# Altium PCB 2024001 A Soutra Plainsong Metronome_PCB.PcbDoc (part 1 of 2) (continued)
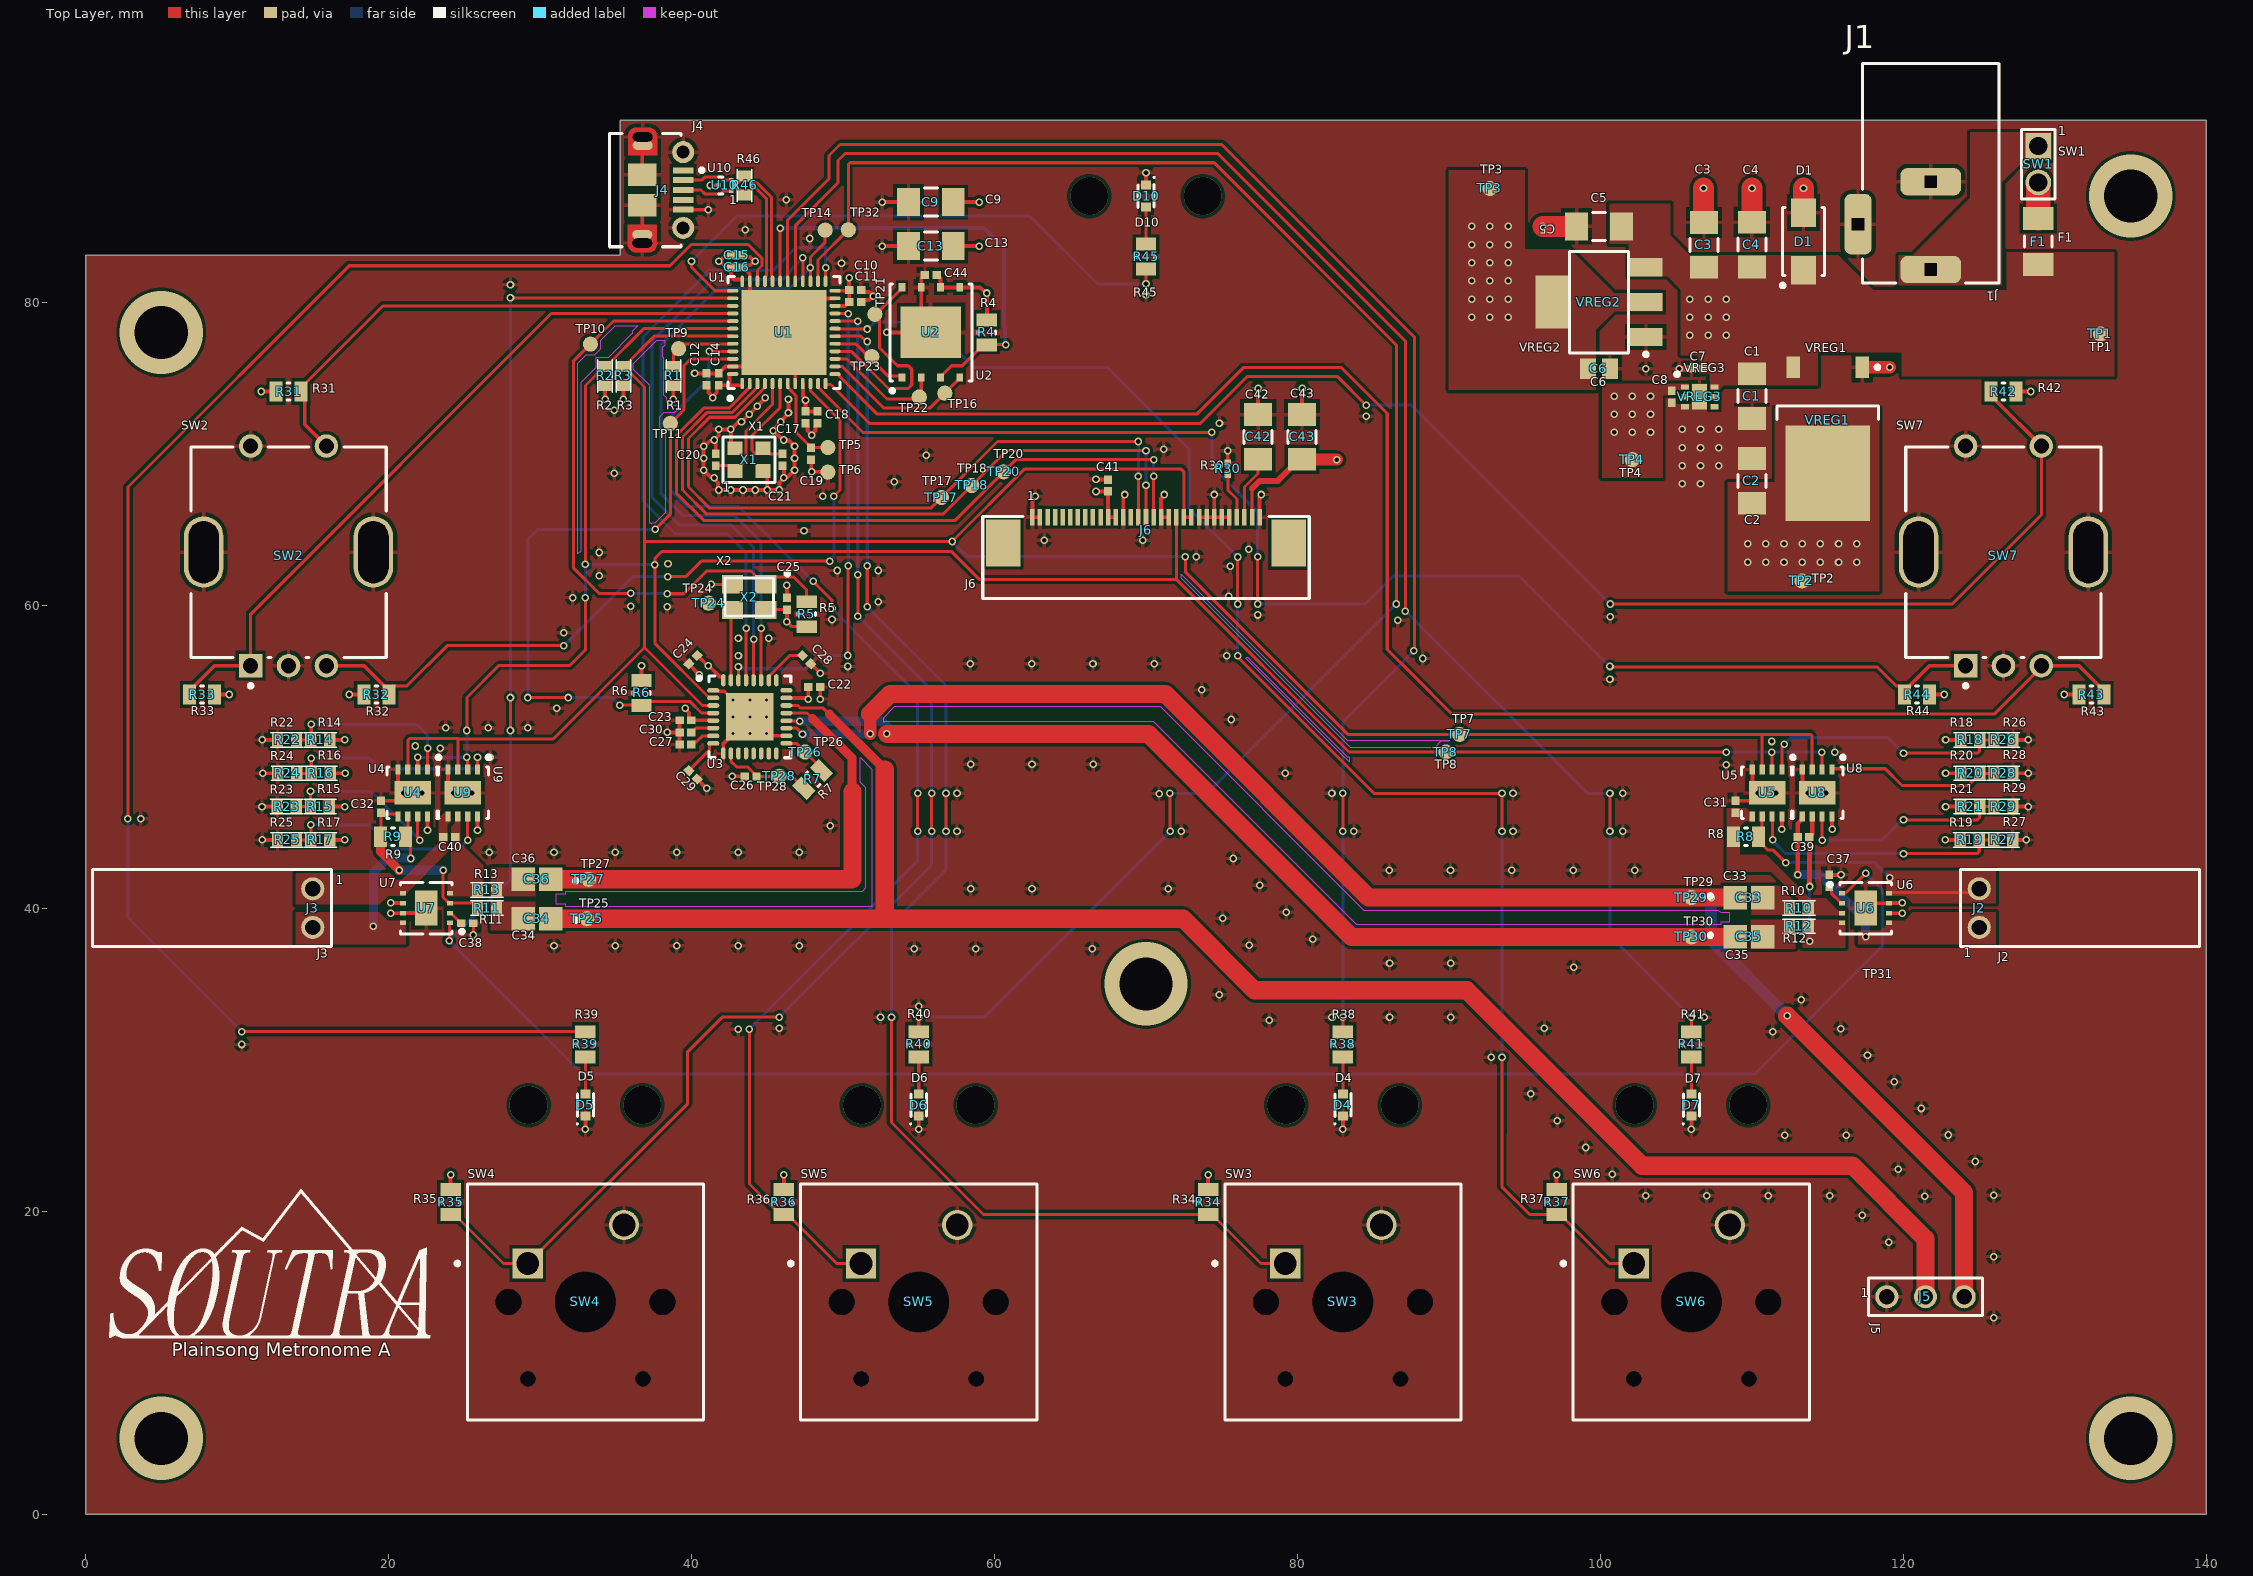
[diagram p0: Top Layer view]
## Part data (continued)
J4: "Telecom and Datacom Connector, 5 Contact(s), Female, Right Angle, Surface Mount Terminal, Detent, Receptacle", Manufacturer=Molex, Manufacturer Part Number=105017-0001, Supplier Part Number=3500663, Supplier Part Number 1=8486764, Pricing=1=0.97, Pricing 1="5=0.754, 75=0.67", Supplier=Farnell, Supplier 1=Rs
J5: library part J_AUDIO_TRS
J6: "FFC/FPC Connector, 31 Contact(s), 1 Row(s), Female, Right Angle, 0.02 inch Pitch, Surface Mount Terminal, Locking, Natural Insulator", Contact Resistance=35mR, Dielectric Withstanding Voltage (AC)=250V, Flammability Rating="UL94 V-0", Insulation Color=Natural, Insulation Resistance=50MR, Manufacturer="TE Connectivity", Manufacturer Series=1734592, Max Operating Temperature=85°C, Min Operating Temperature=-40°C, Rated Current (Signal)=500mA, Supplier Part Number 1=3398664, Body Breadth=0.079inch, Body Depth=0.201inch, Body Length=0.824inch, Category="FFC / FPC", ComponentLink1Description=https://www.te.com:443/usa-en/product-3-1734592-1.datasheet.pdf?src-supplier=IHS+Markit, ComponentLink1URL=https://www.te.com:443/usa-en/product-3-1734592-1.datasheet.pdf?src-supplier=IHS+Markit, ComponentLink2Description=https://datasheet.ciiva.com/10364/eng-ds-1-1773440-6-0506-10364463.pdf?src-supplier=Avnet, ComponentLink2URL=https://datasheet.ciiva.com/10364/eng-ds-1-1773440-6-0506-10364463.pdf?src-supplier=Avnet, ComponentLink3Description=https://datasheet.ciiva.com/8066/1650059-8066840.pdf?src-supplier=Element14, ComponentLink3URL=https://datasheet.ciiva.com/8066/1650059-8066840.pdf?src-supplier=Element14, ComponentLink4Description=https://datasheet.ciiva.com/49629/eng-ds-1-1773440-6-0506-49629301.pdf?src-supplier=Onlinecomponents.com, ComponentLink4URL=https://datasheet.ciiva.com/49629/eng-ds-1-1773440-6-0506-49629301.pdf?src-supplier=Onlinecomponents.com, ComponentLink5Description=https://datasheet.ciiva.com/671/eng-cd-1734592-c-c-1734592-671970.pdf?src-supplier=Digikey, ComponentLink5URL=https://datasheet.ciiva.com/671/eng-cd-1734592-c-c-1734592-671970.pdf?src-supplier=Digikey, ComponentLink6Description=https://datasheet.ciiva.com/671/eng-cd-1734592-c-c-1734592-671971.pdf?src-supplier=Digikey, ComponentLink6URL=https://datasheet.ciiva.com/671/eng-cd-1734592-c-c-1734592-671971.pdf?src-supplier=Digikey, ComponentLink7Description=https://datasheet.ciiva.com/671/eng-cd-1734592-c-c-1734592-671972.pdf?src-supplier=Digikey, ComponentLink7URL=https://datasheet.ciiva.com/671/eng-cd-1734592-c-c-1734592-671972.pdf?src-supplier=Digikey, Connector Type="CARD EDGE CONNECTOR", Contact Finish - Mating="NOT SPECIFIED", Contact Gender=Female, Contact Pattern=RECTANGULAR, Contact Style="BELLOWED TYPE", DIN Conformance=No, Durability=15Cycles, Filter Feature=No, IEC Conformance=No, Insulation Material=Thermoplastic, Manufacturer Part Number=3-1734592-1, Mating Contact Pitch=0.02inch, Mating Information=NO, MIL Conformance=No, Mixed Contacts=No, Mounting Option 1=LOCKING, Mounting Style="RIGHT ANGLE", Mounting Technology=Board, Number of Contacts=31, Number Of PCB Rows=1, Number of Rows Loaded=1, Option="General Purpose", PCB Contact Pattern=RECTANGULAR, Pricing 1="1=1.44, 10=1.26, 100=1.15", Reach SVHC Compliant=Yes, Reference Standard=UL, Reliability=COMMERCIAL, RoHS=Yes, RoHS Compliant=Yes, Stock 1=10236, Supplier 1=Farnell, Terminal Pitch=0.5mm, Termination=SMD/SMT
R1 R14 R15 R16 R17 R18 R19 R20 R21 R22 R23 R24 R25 R26 R27 R28 R29: "Fixed Resistor, Metal Glaze/thick Film, 0.063W, 0ohm, 1% +/-Tol, Surface Mount, 0603", Alternative Part Manufacturer="Multicomp Pro", Alternative Part Supplier Part Number=2447743, Case/Package=0603, Manufacturer=Multicomp, Max Operating Temperature=155°C, Min Operating Temperature=-55°C, Package Height=0.45mm, Package Length=1.6mm, Package Shape=Rectangular, Package Style=SMTMeter, Package Width=0.8mm, Power=63mW, Rated Temperature=70°C, Resistor Type="FIXED RESISTOR", Supplier Part Number=9331662, Tolerance=1%, Alternative Part="MCWR06X000 PTL", Alternative Part Supplier=Farnell, Category="Chip SMD Resistors", ComponentLink1Description=https://datasheet.ciiva.com:443/pdfs/VipMasterIC/IC/SCMP/SCMP-S-A0002523795/SCMP-S-A0002523795-1.pdf?src-supplier=IHS+Markit, ComponentLink1URL=https://datasheet.ciiva.com:443/pdfs/VipMasterIC/IC/SCMP/SCMP-S-A0002523795/SCMP-S-A0002523795-1.pdf?src-supplier=IHS+Markit, ComponentLink2Description=https://datasheet.ciiva.com/7776/1739504-7776679.pdf?src-supplier=Element14, ComponentLink2URL=https://datasheet.ciiva.com/7776/1739504-7776679.pdf?src-supplier=Element14, ComponentLink3Description=https://datasheet.ciiva.com/7776/1739504-7776680.pdf?src-supplier=Element14, ComponentLink3URL=https://datasheet.ciiva.com/7776/1739504-7776680.pdf?src-supplier=Element14, Construction=Chip, Manufacturer Part Number=MC0063W06030R, Manufacturer Series=0603, Mounting Technology="Surface Mount", Packaging="Tape and Reel", Pins=2, Pricing="10=0.007, 100=0.006", RoHS=Yes, RoHS Compliant=Yes, Series=MC(0603)THICK-FILM, Stock=332297, Supplier=Farnell, Technology="METAL GLAZE/THICK FILM", Termination=Wraparound
R2 R3: "Fixed Resistor, Metal Glaze/thick Film, 0.1W, 10000ohm, 75V, 5% +/-Tol, 200ppm/Cel, Surface Mount, 0603", Alternative Part Manufacturer="Stackpole Electronics Inc", Alternative Part Supplier Part Number=RMCF0603FT10K0CT-ND, Case/Package=0603, Manufacturer="KOA Speer", Max Operating Temperature=155°C, Min Operating Temperature=-55°C, Package Height=0.45mm, Package Length=1.6mm, Package Style=SMTMeter, Package Width=0.8mm, Power=100mW, Rated Temperature=70°C, Resistor Type="FIXED RESISTOR", Supplier Part Number=4009056, Supplier Part Number 1=2019-RK73B1JTTD103JCT-ND, Temperature Coefficient=200ppm/°C, Tolerance=5%, Working Voltage=75V, Alternative Part=RMCF0603FT10K0, Alternative Part Supplier=Digikey, Category="Chip SMD Resistors", ComponentLink1Description=https://datasheet.ciiva.com:443/pdfs/VipMasterIC/IC/KOAS/KOAS-S-A0009586303/KOAS-S-A0009586303-1.pdf?src-supplier=IHS+Markit, ComponentLink1URL=https://datasheet.ciiva.com:443/pdfs/VipMasterIC/IC/KOAS/KOAS-S-A0009586303/KOAS-S-A0009586303-1.pdf?src-supplier=IHS+Markit, ComponentLink2Description=https://datasheet.ciiva.com/34302/1877832-34302947.pdf?src-supplier=Jameco, ComponentLink2URL=https://datasheet.ciiva.com/34302/1877832-34302947.pdf?src-supplier=Jameco, ComponentLink3Description=https://datasheet.ciiva.com/7773/548635-7773278.pdf?src-supplier=Element14, ComponentLink3URL=https://datasheet.ciiva.com/7773/548635-7773278.pdf?src-supplier=Element14, ComponentLink4Description=https://datasheet.ciiva.com/5554/rk73b-5554408.pdf?src-supplier=Mouser, ComponentLink4URL=https://datasheet.ciiva.com/5554/rk73b-5554408.pdf?src-supplier=Mouser, Construction=Rectangular, JESD-609 Code=e3, Manufacturer Part Number=RK73B1JTTD103J, Mounting Technology="Surface Mount", Packaging="Tape and Reel", Pins=2, Pricing="10=0.009, 100=0.003", Pricing 1="1=0.08, 10=0.012, 50=0.0078, 100=0.0064", Reach SVHC Compliant=Yes, Reference Standard=AEC-Q200, RoHS=Yes, RoHS Compliant=Yes, Stock=750000, Supplier=Farnell, Supplier 1=Digikey, Technology="METAL GLAZE/THICK FILM", Terminal Finish=Nickel, Termination=Wraparound
R4 R5 R6 R8 R9 R31 R32 R33 R34 R35 R36 R37 R42 R43 R44: "Fixed Resistor, Metal Glaze/thick Film, 0.125W, 10000ohm, 150V, 5% +/-Tol, 100ppm/Cel, Surface Mount, 0805", Alternative Part Supplier Part Number=2073612, Case/Package=0805, Manufacturer=Yageo, Max Operating Temperature=155°C, Min Operating Temperature=-55°C, Package Height=0.5mm, Package Length=2mm, Package Shape=Rectangular, Package Style=SMTMeter, Package Width=1.25mm, Power=125mW, Rated Temperature=70°C, Resistor Type="FIXED RESISTOR", Supplier Part Number=9234136, Supplier Part Number 1=311-10KARCT-ND, Temperature Coefficient=100ppm/°C, Tolerance=5%, Working Voltage=150V, Additional Feature="LASER TRIMMABLE", Alternative Part="MCMR08X103 JTL", Alternative Part Supplier=Farnell, Category="Chip SMD Resistors", ComponentLink1Description=https://datasheet.ciiva.com:443/pdfs/VipMasterIC/IC/YAGO/YAGO-S-A0008145938/YAGO-S-A0008145938-1.pdf?src-supplier=IHS+Markit, ComponentLink1URL=https://datasheet.ciiva.com:443/pdfs/VipMasterIC/IC/YAGO/YAGO-S-A0008145938/YAGO-S-A0008145938-1.pdf?src-supplier=IHS+Markit, ComponentLink2Description=https://datasheet.ciiva.com/7983/444164-7983765.pdf?src-supplier=Element14, ComponentLink2URL=https://datasheet.ciiva.com/7983/444164-7983765.pdf?src-supplier=Element14, ComponentLink3Description=https://datasheet.ciiva.com/7941/444164-7941870.pdf?src-supplier=Element14, ComponentLink3URL=https://datasheet.ciiva.com/7941/444164-7941870.pdf?src-supplier=Element14, ComponentLink4Description=https://datasheet.ciiva.com/7941/444164-7941871.pdf?src-supplier=Element14, ComponentLink4URL=https://datasheet.ciiva.com/7941/444164-7941871.pdf?src-supplier=Element14, Construction=Chip, JESD-609 Code=e3, Manufacturer Part Number=RC0805JR-0710KL, Mounting Technology="Surface Mount", Packaging="Tape and Reel", Pins=2, Pricing="10=0.013, 100=0.007, 500=0.006", Pricing 1="1=0.08, 10=0.018, 50=0.011, 100=0.009", Reach SVHC Compliant=Yes, RoHS=Yes, RoHS Compliant=Yes, Stock=893694, Supplier=Farnell, Supplier 1=Digikey, Technology="METAL GLAZE/THICK FILM", Terminal Finish=Nickel, Termination=Wraparound
R7: "Fixed Resistor, Metal Glaze/thick Film, 0.33W, 2700ohm, 150V, 1% +/-Tol, 100ppm/Cel, Surface Mount, 0805", Alternative Part Manufacturer="Multicomp Pro", Alternative Part Supplier Part Number=9332375, Manufacturer="TE Connectivity", Resistor Type="FIXED RESISTOR", Supplier Part Number=2332077, Supplier Part Number 1=279-CRGH0805F2K7, Alternative Part=MC01W08051100R, Alternative Part Supplier=Farnell, Category="Chip SMD Resistors", ComponentLink1Description=https://www.te.com:443/usa-en/product-1-2176185-0.datasheet.pdf?src-supplier=IHS+Markit, ComponentLink1URL=https://www.te.com:443/usa-en/product-1-2176185-0.datasheet.pdf?src-supplier=IHS+Markit, ComponentLink2Description=https://datasheet.ciiva.com/22670/1755795-22670377.pdf?src-supplier=Element14, ComponentLink2URL=https://datasheet.ciiva.com/22670/1755795-22670377.pdf?src-supplier=Element14, ComponentLink3Description=https://datasheet.ciiva.com/28583/1755795-28583016.pdf?src-supplier=Element14, ComponentLink3URL=https://datasheet.ciiva.com/28583/1755795-28583016.pdf?src-supplier=Element14, Manufacturer Part Number=CRGH0805F2K7, Pins=2, Pricing=10=0.0381, Pricing 1="1=0.096, 10=0.065, 100=0.033", Reach SVHC Compliant=Yes, RoHS=Yes, RoHS Compliant=Yes, Stock=2438, Supplier=Farnell, Supplier 1=Mouser
R10 R11 R12 R13: "Fixed Resistor, 0.1W, 5100ohm, 75V, 5% +/-Tol, 100ppm/Cel, Surface Mount, 0603", Alternative Part Supplier Part Number=2073522, Case/Package=0603, Manufacturer=Multicomp, Manufacturer Series=MCMR06, Max Operating Temperature=155°C, Min Operating Temperature=-55°C, Package Shape=Rectangular, Power=100mW, Rated Temperature=70°C, Resistor Type="FIXED RESISTOR", Supplier Part Number 1=2073528, Temperature Coefficient=100ppm/°C, Tolerance=5%, Working Voltage=75V, Alternative Part=MCMR06X5101FTL, Alternative Part Supplier=Farnell, Category="Chip SMD Resistors", ComponentLink1Description=https://datasheet.ciiva.com:443/pdfs/VipMasterIC/IC/SCMP/SCMPS00167/SCMPS00167-1.pdf?src-supplier=IHS+Markit, ComponentLink1URL=https://datasheet.ciiva.com:443/pdfs/VipMasterIC/IC/SCMP/SCMPS00167/SCMPS00167-1.pdf?src-supplier=IHS+Markit, ComponentLink2Description=https://datasheet.ciiva.com/28686/1716707-28686598.pdf?src-supplier=Element14, ComponentLink2URL=https://datasheet.ciiva.com/28686/1716707-28686598.pdf?src-supplier=Element14, JESD-609 Code=e3, Manufacturer Part Number=MCMR06X512JTL, Mounting Technology="Surface Mount", Packaging="Tape and Reel", Pins=2, Pricing 1="10=0.0065, 100=0.0056, 500=0.0047, 1000=0.004, 2500=0.0027, 5000=0.0021, 25000=0.0016, 50000=0.0013 (GBP)", Reference Standard=AEC-Q200, RoHS=Yes, RoHS Compliant=Yes, Stock 1=4951, Supplier 1=Farnell, Terminal Finish=Tin, Termination=Wraparound
R30: "Fixed Resistor, Metal Glaze/thick Film, 0.0625W, 590000ohm, 50V, 1% +/-Tol, 100ppm/Cel, Surface Mount, 0402", Alternative Part Manufacturer=Vishay, Alternative Part Supplier Part Number=2141013, Case/Package=0402, Manufacturer=Yageo, Max Operating Temperature=155°C, Min Operating Temperature=-55°C, Package Height=0.35mm, Package Length=1mm, Package Shape=Rectangular, Package Style=SMTMeter, Package Width=0.5mm, Power=62.5mW, Rated Temperature=70°C, Resistor Type="FIXED RESISTOR", Supplier Part Number 1=3951243, Temperature Coefficient=100ppm/°C, Tolerance=1%, Working Voltage=50V, Additional Feature="LASER TRIMMABLE", Alternative Part=CRCW0402590KFKED, Alternative Part Supplier=Farnell, Category="Chip SMD Resistors", ComponentLink1Description=https://datasheet.ciiva.com:443/pdfs/VipMasterIC/IC/YAGO/YAGO-S-A0008145938/YAGO-S-A0008145938-1.pdf?src-supplier=IHS+Markit, ComponentLink1URL=https://datasheet.ciiva.com:443/pdfs/VipMasterIC/IC/YAGO/YAGO-S-A0008145938/YAGO-S-A0008145938-1.pdf?src-supplier=IHS+Markit, ComponentLink2Description=https://datasheet.ciiva.com/8885/pyu-rc0402-51-rohs-l-6-8885212.pdf?src-supplier=Avnet, ComponentLink2URL=https://datasheet.ciiva.com/8885/pyu-rc0402-51-rohs-l-6-8885212.pdf?src-supplier=Avnet, ComponentLink3Description=https://datasheet.ciiva.com/17419/pyu-rc0402-51-rohs-l-6-r-17419533.pdf?src-supplier=Future+Electronics, ComponentLink3URL=https://datasheet.ciiva.com/17419/pyu-rc0402-51-rohs-l-6-r-17419533.pdf?src-supplier=Future+Electronics, Construction=Chip, JESD-609 Code=e3, Manufacturer Part Number=RC0402FR-07590KL, Mounting Technology="Surface Mount", Packaging="Tape and Reel", Pins=2, Pricing 1="10=0.0096, 100=0.0055", Pricing 2="1=0.08, 10=0.012, 50=0.007, 100=0.0058", Reach SVHC Compliant=Yes, RoHS=Yes, RoHS Compliant=Yes, Stock 1=37168, Stock 2=999878, Supplier 1=Farnell, Supplier 2=Digikey, Supplier Part Number 2=311-59KLRCT-ND, Technology="METAL GLAZE/THICK FILM", Terminal Finish=Nickel, Termination=Wraparound
R38 R39 R40 R41 R45: "Fixed Resistor, Metal Glaze/thick Film, 0.125W, 100ohm, 150V, 1% +/-Tol, 100ppm/Cel, Surface Mount, 0805", Alternative Part Manufacturer=VISHAY, Alternative Part Supplier Part Number=1469862, Case/Package=0805, Manufacturer="Vishay Dale", Max Operating Temperature=155°C, Min Operating Temperature=-55°C, Package Height=0.45mm, Package Length=2mm, Package Shape=Rectangular, Package Style=SMTMeter, Package Width=1.25mm, Power=125mW, Rated Temperature=70°C, Resistor Type="FIXED RESISTOR", Supplier Part Number=1652906, Supplier Part Number 1=71-CRCW0805-100, Temperature Coefficient=100ppm/°C, Tolerance=1%, Working Voltage=150V, Alternative Part=CRCW0805100RFKEA, Alternative Part Supplier=Farnell, Category="Chip SMD Resistors", ComponentLink1Description=https://datasheet.ciiva.com:443/pdfs/VipMasterIC/IC/VISH/VISH-S-A0002183699/VISH-S-A0002183699-1.pdf?src-supplier=IHS+Markit, ComponentLink1URL=https://datasheet.ciiva.com:443/pdfs/VipMasterIC/IC/VISH/VISH-S-A0002183699/VISH-S-A0002183699-1.pdf?src-supplier=IHS+Markit, ComponentLink2Description=https://datasheet.ciiva.com/48525/dcrcw-48525548.pdf?src-supplier=Avnet, ComponentLink2URL=https://datasheet.ciiva.com/48525/dcrcw-48525548.pdf?src-supplier=Avnet, ComponentLink3Description=https://datasheet.ciiva.com/3258/dcrcw-3258014.pdf?src-supplier=Avnet, ComponentLink3URL=https://datasheet.ciiva.com/3258/dcrcw-3258014.pdf?src-supplier=Avnet, ComponentLink4Description=https://datasheet.ciiva.com/2567/dcrcw-2567005.pdf?src-supplier=Digi-Key, ComponentLink4URL=https://datasheet.ciiva.com/2567/dcrcw-2567005.pdf?src-supplier=Digi-Key, ComponentLink5Description=https://datasheet.ciiva.com/22673/1533075-22673125.pdf?src-supplier=Element14, ComponentLink5URL=https://datasheet.ciiva.com/22673/1533075-22673125.pdf?src-supplier=Element14, ComponentLink6Description=https://datasheet.ciiva.com/16498/dcrcw-16498296.pdf?src-supplier=Future+Electronics, ComponentLink6URL=https://datasheet.ciiva.com/16498/dcrcw-16498296.pdf?src-supplier=Future+Electronics, Construction=Chip, JESD-609 Code=e0, Manufacturer Part Number=CRCW0805100RFKTA, Mounting Technology="Surface Mount", Packaging="Tape and Reel", Pins=2, Pricing="10=0.06, 100=0.026", Pricing 1="1=0.12, 10=0.042, 100=0.027", Reach SVHC Compliant=No, Reference Standard=AEC-Q200, RoHS=No, RoHS Compliant=No, Stock=46002, Supplier=Farnell, Supplier 1=Mouser, Technology="METAL GLAZE/THICK FILM", Terminal Finish=Nickel, Termination=Wraparound
R46: "Res Thick Film 0603 91 Ohm 1% 0.25W(1/4W) ±100ppm/C Pad SMD Automotive T/R", Manufacturer=Panasonic, Supplier Part Number=2335962, Category="Chip SMD Resistors", ComponentLink1Description=https://datasheet.ciiva.com/49048/1801181-49048216.pdf?src-supplier=Element14, ComponentLink1URL=https://datasheet.ciiva.com/49048/1801181-49048216.pdf?src-supplier=Element14, Manufacturer Part Number=ERJ-PA3F91R0V, Pricing="10=0.05, 100=0.03", RoHS=Yes, Stock=5736, Supplier=Farnell
SW1: "PTH Mounting Holes for Wire-to-board switch, 1.2mm diameter, >=17AWG"
SW2 SW7: "Rotary Position Encoder, Single, 2 Channels", Manufacturer=Bourns, Max Operating Temperature=70°C, Min Operating Temperature=-30°C, Supplier Part Number=2663532, Supplier Part Number 1=PEC12R-4220F-S0024-ND, Category=Encoders, Channels=1, ComponentLink1Description=https://datasheet.ciiva.com:443/pdfs/VipMasterIC/IC/BOUR/BOUR-S-A0008996893/BOUR-S-A0008996893-1.pdf?src-supplier=IHS+Markit, ComponentLink1URL=https://datasheet.ciiva.com:443/pdfs/VipMasterIC/IC/BOUR/BOUR-S-A0008996893/BOUR-S-A0008996893-1.pdf?src-supplier=IHS+Markit, ComponentLink2Description=https://datasheet.ciiva.com/29349/pec12r-29349497.pdf?src-supplier=Digikey, ComponentLink2URL=https://datasheet.ciiva.com/29349/pec12r-29349497.pdf?src-supplier=Digikey, Manufacturer Part Number=PEC12R-4220F-S0024, Optoelectronic Device Type="ROTARY POSITION ENCODER", Pricing="1=1.7, 5=1.49, 10=1.26, 20=1.16, 40=1.06, 75=0.97", Pricing 1="1=1.28, 5=1.21, 10=1.14, 25=1.04, 75=0.97", Reach SVHC Compliant=Yes, RoHS=Yes, RoHS Compliant=Yes, Stock=3003, Stock 1=677, Supplier=Farnell, Supplier 1=Digikey
SW3 SW4 SW5 SW6: "Keypad Switch, 1 Switches, SPST, Momentary, 0.01A, 12VDC, 0.78N, Solder Terminal, Through Hole-straight", Contact Current(DC)-Max=10mA, Contact DC Max Rating R Load=.01A@12VDC, Contact Voltage(DC)-Max=12V, Manufacturer=Cherry, Manufacturer Series=MX, Max Operating Temperature=70°C, Min Operating Temperature=-10°C, Operating Force-Max=0.78N, Supplier Part Number=ACHERSW0315325, Body Breadth=15.6inch, Body Height=11.6mm, Body Length or Diameter=15.6mm, Category="Pushbutton Switches", Circuit Configuration=1X1, ComponentLink1Description=https://datasheet.ciiva.com:443/pdfs/VipMasterIC/IC/CHCP/CHCP-S-A0000003074/CHCP-S-A0000003074-1.pdf?src-supplier=IHS+Markit, ComponentLink1URL=https://datasheet.ciiva.com:443/pdfs/VipMasterIC/IC/CHCP/CHCP-S-A0000003074/CHCP-S-A0000003074-1.pdf?src-supplier=IHS+Markit, ComponentLink2Description=https://datasheet.ciiva.com/19475/513412-19475559.pdf?src-supplier=Jameco, ComponentLink2URL=https://datasheet.ciiva.com/19475/513412-19475559.pdf?src-supplier=Jameco, ComponentLink3Description=https://datasheet.ciiva.com/29188/706333-da-01-de-tastenmodul-mx1a-11nw-0-01a-12v-29188128.pdf?src-supplier=Conrad, ComponentLink3URL=https://datasheet.ciiva.com/29188/706333-da-01-de-tastenmodul-mx1a-11nw-0-01a-12v-29188128.pdf?src-supplier=Conrad, ComponentLink4Description=https://datasheet.ciiva.com/2869/mxseries-2869564.pdf?src-supplier=Digikey, ComponentLink4URL=https://datasheet.ciiva.com/2869/mxseries-2869564.pdf?src-supplier=Digikey, ComponentLink5Description=https://datasheet.ciiva.com/22638/1825426-22638522.pdf?src-supplier=Element14, ComponentLink5URL=https://datasheet.ciiva.com/22638/1825426-22638522.pdf?src-supplier=Element14, ComponentLink6Description=https://datasheet.ciiva.com/1701/1825426-1701391.pdf?src-supplier=Newark, ComponentLink6URL=https://datasheet.ciiva.com/1701/1825426-1701391.pdf?src-supplier=Newark, ComponentLink7Description=https://datasheet.ciiva.com/30215/cherry-mx-series-key-switch-30215301.pdf?src-supplier=Onlinecomponents.com, ComponentLink7URL=https://datasheet.ciiva.com/30215/cherry-mx-series-key-switch-30215301.pdf?src-supplier=Onlinecomponents.com, ComponentLink8Description=https://datasheet.ciiva.com/14536/70207618-14536679.pdf?src-supplier=Allied+Electronics, ComponentLink8URL=https://datasheet.ciiva.com/14536/70207618-14536679.pdf?src-supplier=Allied+Electronics, Contact Bounce Time-Max=5ms, Electrical Life=50000000Cycles, Manufacturer Part Number=MX1A-11NW, Mounting Technology="Through Hole", Number of Switches=1, Pricing=10=5, Reach SVHC Compliant=Yes, RoHS=Yes, RoHS Compliant=Yes, Supplier="Mech Boards", Switch Action=MOMENTARY, Switch Function=SPST, Switch Type=Keypad, Termination=Solder
TP1 TP2 TP3 TP4 TP5 TP6 TP7 TP8 TP9 TP10 TP11 TP12 TP13 TP14 TP15 TP16 TP17 TP18 TP19 TP20 TP21 TP22 TP23 TP24 TP25 TP26 TP27 TP28 TP29 TP30 TP31 TP32: "Test Point, SMD, Circular, Radius = 1mm"
U1: "RISC Microcontroller, 32-Bit, FLASH, 84MHz, CMOS", Case/Package=HVQCCN, Clock Frequency=26MHz, Manufacturer=STMicroelectronics, Max Operating Temperature=105°C, Max Supply Voltage=3.6V, Min Operating Temperature=-40°C, Min Supply Voltage=1.7V, Nominal Supply Voltage=3.3V, Package Shape=Square, Package Style="CHIP CARRIER, HEAT SINK/SLUG, VERY THIN PROFILEMeter", Supplier Part Number=2469576, Temperature Grade=INDUSTRIAL, Category=Microcontrollers, ComponentLink1Description=https://datasheet.ciiva.com:443/pdfs/VipMasterIC/IC/SGST/SGST-S-A0002802577/SGST-S-A0002802577-1.pdf?src-supplier=IHS+Markit, ComponentLink1URL=https://datasheet.ciiva.com:443/pdfs/VipMasterIC/IC/SGST/SGST-S-A0002802577/SGST-S-A0002802577-1.pdf?src-supplier=IHS+Markit, ComponentLink2Description=http://www.farnell.com/datasheets/2308718.pdf?src-supplier=Farnell, ComponentLink2URL=http://www.farnell.com/datasheets/2308718.pdf?src-supplier=Farnell, ComponentLink3Description=http://www.mouser.com/ds/2/389/stm32f401cb-956305.pdf?src-supplier=Mouser, ComponentLink3URL=http://www.mouser.com/ds/2/389/stm32f401cb-956305.pdf?src-supplier=Mouser, ComponentLink4Description=http://www.st.com/content/ccc/resource/technical/document/datasheet/9e/50/b1/5a/5f/ae/4d/c1/DM00086815.pdf/files/DM00086815.pdf/jcr:content/translations/en.DM00086815.pdf?src-supplier=Digikey, ComponentLink4URL=http://www.st.com/content/ccc/resource/technical/document/datasheet/9e/50/b1/5a/5f/ae/4d/c1/DM00086815.pdf/files/DM00086815.pdf/jcr:content/translations/en.DM00086815.pdf?src-supplier=Digikey, ComponentLink5Description=http://www.st.com/st-web-ui/static/active/en/resource/technical/document/datasheet/DM00102166.pdf?src-supplier=Avnet, ComponentLink5URL=http://www.st.com/st-web-ui/static/active/en/resource/technical/document/datasheet/DM00102166.pdf?src-supplier=Avnet, ComponentLink6Description=https://datasheet.octopart.com/STM32F401CBU7-STMicroelectronics-datasheet-46749032.pdf?src-supplier=Element14, ComponentLink6URL=https://datasheet.octopart.com/STM32F401CBU7-STMicroelectronics-datasheet-46749032.pdf?src-supplier=Element14, ComponentLink7Description=https://datasheet.octopart.com/STM32F401CBU7-STMicroelectronics-datasheet-27616295.pdf?src-supplier=Newark, ComponentLink7URL=https://datasheet.octopart.com/STM32F401CBU7-STMicroelectronics-datasheet-27616295.pdf?src-supplier=Newark, ComponentLink8Description=https://datasheet.octopart.com/STM32F401CBU7-STMicroelectronics-datasheet-68305517.pdf?src-supplier=SHENGYU+ELECTRONICS, ComponentLink8URL=https://datasheet.octopart.com/STM32F401CBU7-STMicroelectronics-datasheet-68305517.pdf?src-supplier=SHENGYU+ELECTRONICS, Height - Seated (Max)=0.6mm, JESD-30 Code=S-XQCC-N48, Length=7mm, Manufacturer Part Number=STM32F401CBU7, Number of I/O Lines=36, Pins=48, Pricing=1=3.42, Pricing 1="1=4.88, 10=4.38, 25=4.14, 80=3.59", Reach SVHC Compliant=Yes, RoHS=Yes, RoHS Compliant=Yes, Speed=84RPM, Stock=7280, Supplier=Farnell, Supplier 1=Digikey, Supplier Part Number 1=STM32F401CBU7, Surface Mount=Yes, Technology=CMOS, Terminal Form="No Lead", Terminal Pitch=0.5mm, Terminal Position=QUAD, Width=7mm
U2: "Flash, 64MX1, PDSO8", Case/Package=HVSON, Clock Frequency=85MHz, Manufacturer="Adesto Technologies", Max Operating Temperature=85°C, Max Supply Voltage=3.6V, Min Operating Temperature=-40°C, Min Supply Voltage=1.7V, Nominal Supply Voltage=2.3V, Operating Mode=SYNCHRONOUS, Package Body Material=Plastic, Package Shape=Rectangular, Package Style="SMALL OUTLINE, HEAT SINK/SLUG, VERY THIN PROFILEMeter", Peak Reflow Temperature (Cel)=260°C, Programming Voltage=1.8V, Supplier Part Number=2910029, Supplier Part Number 1=1265-1227-ND, Temperature Grade=INDUSTRIAL, Category=Memory, Channels=1, ComponentLink1Description=https://datasheet.ciiva.com:443/pdfs/VipMasterIC/IC/ADET/ADET-S-A0007923472/ADET-S-A0007923472-1.pdf?src-supplier=IHS+Markit, ComponentLink1URL=https://datasheet.ciiva.com:443/pdfs/VipMasterIC/IC/ADET/ADET-S-A0007923472/ADET-S-A0007923472-1.pdf?src-supplier=IHS+Markit, ComponentLink2Description=http://www.farnell.com/datasheets/1809895.pdf?src-supplier=Farnell, ComponentLink2URL=http://www.farnell.com/datasheets/1809895.pdf?src-supplier=Farnell, ComponentLink3Description=http://www.mouser.com/ds/2/590/DS-45DB641E-027-534005.pdf?src-supplier=Mouser, ComponentLink3URL=http://www.mouser.com/ds/2/590/DS-45DB641E-027-534005.pdf?src-supplier=Mouser, ComponentLink4Description=http://www.adestotech.com/sites/default/files/datasheets/DS-45DB641E-027.pdf?src-supplier=Avnet, ComponentLink4URL=http://www.adestotech.com/sites/default/files/datasheets/DS-45DB641E-027.pdf?src-supplier=Avnet, ComponentLink5Description=http://www.adestotech.com/wp-content/uploads/DS-45DB641E-027.pdf?src-supplier=Digikey, ComponentLink5URL=http://www.adestotech.com/wp-content/uploads/DS-45DB641E-027.pdf?src-supplier=Digikey, ComponentLink6Description=http://datasheet.octopart.com/AT45DB641E-MHN-Y-Adesto-Technologies-datasheet-24999053.pdf?src-supplier=Newark, ComponentLink6URL=http://datasheet.octopart.com/AT45DB641E-MHN-Y-Adesto-Technologies-datasheet-24999053.pdf?src-supplier=Newark, ComponentLink7Description=http://www.farnell.com/datasheets/1809895.pdf?src-supplier=Element14, ComponentLink7URL=http://www.farnell.com/datasheets/1809895.pdf?src-supplier=Element14, ComponentLink8Description=https://datasheet.octopart.com/AT45DB641E-MHN-Y-Adesto-Technologies-datasheet-158990717.pdf?src-supplier=SHENGYU+ELECTRONICS, ComponentLink8URL=https://datasheet.octopart.com/AT45DB641E-MHN-Y-Adesto-Technologies-datasheet-158990717.pdf?src-supplier=SHENGYU+ELECTRONICS, Density=67108864b, Height - Seated (Max)=0.6mm, JESD-30 Code=R-PDSO-N8, JESD-609 Code=e4, Length=6mm, Manufacturer Part Number=AT45DB641E-MHN-Y, Memory Format=FLASH, Memory Size=67108864, Memory Width=1, Moisture Sensitivity Level=1, Number of Words Code=64M, Organization=64MX1, Parallel/Serial=SERIAL, Pins=8, Pricing="1=5.02, 10=4.15, 25=3.97, 50=3.80, 100=3.62", Pricing 1="1=4.65, 10=4.24, 25=4.16, 40=4.13, 80=3.70", Reach SVHC Compliant=Yes, RoHS=Yes, RoHS Compliant=Yes, Stock=5373, Supplier=Farnell, Supplier 1=Digikey, Surface Mount=Yes, Technology=CMOS, Terminal Finish=Nickel, Terminal Form="No Lead", Terminal Pitch=1.27mm, Terminal Position=DUAL, Type="NOR TYPE", Width=5mm
U3: library part MAX9867ETJ+T, "PCM Codec", Manufacturer=Maxim, Supplier Part Number=2517273, Supplier Part Number 1=MAX9867ETJ+TCT-ND, Category=CODECs, ComponentLink1Description=https://datasheet.ciiva.com:443/pdfs/VipMasterIC/IC/MAXM/MAXMS11328/MAXMS11328-1.pdf?src-supplier=IHS+Markit, ComponentLink1URL=https://datasheet.ciiva.com:443/pdfs/VipMasterIC/IC/MAXM/MAXMS11328/MAXMS11328-1.pdf?src-supplier=IHS+Markit, ComponentLink2Description=https://datasheet.ciiva.com/1694/max9867-1694642.pdf?src-supplier=Digikey, ComponentLink2URL=https://datasheet.ciiva.com/1694/max9867-1694642.pdf?src-supplier=Digikey, Manufacturer Part Number=MAX9867ETJ+T, Moisture Sensitivity Level=1, Pricing="1=2.92, 10=2.45, 25=2.3, 100=2.15", Pricing 1="1=2.95, 10=2.65, 25=2.5, 100=2.17", Reach SVHC Compliant=Yes, RoHS=Yes, RoHS Compliant=Yes, Stock=1095, Supplier=Farnell, Supplier 1=Digikey, Telecom IC Type="PCM CODEC"
U4 U5 U8 U9: "7-Bit Single I2C Digital POT with Non-Volatile Memory, 8-pin DFN, Extended Temperature, Tape and Reel", Supplier Part Number 1=3102788, ComponentLink1Description="Manufacturer URL", ComponentLink1URL=http://www.microchip.com/, ComponentLink2Description=Datasheet, ComponentLink2URL=http://ww1.microchip.com/downloads/en/DeviceDoc/22107a.pdf, ComponentLink3Description="Package Specification", ComponentLink3URL=http://www.microchip.com/stellent/groups/techpub_sg/documents/packagingspec/en012702.pdf, DatasheetVersion="revA, Nov-2008", PackageDescription="8-Lead Plastic Dual Flat, No Lead Package (MF) - 3x3x0.9mm Body [DFN]", PackageReference=DFN-MF8, PackageVersion="revBB, Aug-2009", Pricing 1="1=0.998, 25=0.84, 100=0.78", RevisionNote="URLs added.", Stock 1=2296, Supplier 1=Farnell
U6 U7: "Audio Amplifier, 1.4W, 1 Channel(s), 1 Func, BICMOS", Case/Package=HVSON, Manufacturer=Maxim, Max Operating Temperature=85°C, Max Supply Current=8mA, Max Supply Voltage=5.5V, Min Operating Temperature=-40°C, Min Supply Voltage=2.7V, Output Power-Nom=1.4W, Package Equivalence Code=SOLCC8,.12,25, Package Shape=Square, Package Style="SMALL OUTLINE, HEAT SINK/SLUG, VERY THIN PROFILEMeter", Peak Reflow Temperature (Cel)=260°C, Power Supplies=3/5V, Supplier Part Number=2516304, Supplier Part Number 1=MAX9716ETA+TCT-ND, Temperature Grade=INDUSTRIAL, Bandwidth-Nom=22kHz, Category="Amplifiers - Audio", Channels=1, ComponentLink1Description=https://datasheet.ciiva.com:443/pdfs/VipMasterIC/IC/MAXM/MAXMS12627/MAXMS12627-1.pdf?src-supplier=IHS+Markit, ComponentLink1URL=https://datasheet.ciiva.com:443/pdfs/VipMasterIC/IC/MAXM/MAXMS12627/MAXMS12627-1.pdf?src-supplier=IHS+Markit, ComponentLink2Description=https://datasheet.ciiva.com/1481/388069-1481331.pdf?src-supplier=Element14, ComponentLink2URL=https://datasheet.ciiva.com/1481/388069-1481331.pdf?src-supplier=Element14, ComponentLink3Description=https://datasheet.ciiva.com/1790/max9716-max9717-1790242.pdf?src-supplier=Digikey, ComponentLink3URL=https://datasheet.ciiva.com/1790/max9716-max9717-1790242.pdf?src-supplier=Digikey, ComponentLink4Description=https://datasheet.ciiva.com/1790/max9716-max9717-1790243.pdf?src-supplier=Digikey, ComponentLink4URL=https://datasheet.ciiva.com/1790/max9716-max9717-1790243.pdf?src-supplier=Digikey, ComponentLink5Description=https://datasheet.ciiva.com/1790/max9716-max9717-1790244.pdf?src-supplier=Digikey, ComponentLink5URL=https://datasheet.ciiva.com/1790/max9716-max9717-1790244.pdf?src-supplier=Digikey, ComponentLink6Description=https://datasheet.ciiva.com/2968/max9716-max9717-2968854.pdf?src-supplier=Avnet, ComponentLink6URL=https://datasheet.ciiva.com/2968/max9716-max9717-2968854.pdf?src-supplier=Avnet, Consumer IC Type="AUDIO AMPLIFIER", Height - Seated (Max)=0.8mm, JESD-30 Code=S-XDSO-N8, JESD-609 Code=e3, Length=3mm, Manufacturer Part Number=MAX9716ETA+T, Moisture Sensitivity Level=1, Number of Channels=1, Pins=8, Pricing="1=1.41, 10=1.26, 25=1.19, 100=0.982", Pricing 1="1=1.28, 10=1.15, 25=1.08, 100=0.92", Qualification Status="Not Qualified", Reach SVHC Compliant=Yes, RoHS=Yes, RoHS Compliant=Yes, Stock=3265, Supplier=Farnell, Supplier 1=Digikey, Surface Mount=Yes, Technology=BICMOS, Terminal Finish=Tin, Terminal Form="No Lead", Terminal Pitch=0.65mm, Terminal Position=DUAL, Width=3mm
U10: "ESD / Surge Solution for High Speed, Low Voltage Interface, 2 Channels, -40 to +85 degC, 3-pin SOT (DRT), Green (RoHS & no Sb/Br)", Breakdown Voltage(Min)(V)=4.5, Differential Capacitance(pF)=0.05, IO Capacitance(Typ)(pF)=0.7, IO Leakage Current(nA)=10, Manufacturer="Texas Instruments", Supplier Part Number 1=3116501, 1394 / Firewire=TRUE, ComponentLink1Description=Datasheet, ComponentLink1URL=http://www.ti.com/general/docs/lit/getliterature.tsp?genericPartNumber=TPD2EUSB30A&fileType=pdf, ComponentLink2Description="URL Link1", ComponentLink2URL=SamplesURL:http://www.ti.com/product/tpd2eusb30a#samples, DatasheetVersion=SLVSAC2C, Eco-Plan="Green (RoHS & no Sb/Br)", HDMI=TRUE, IEC 61000-4-2 Air-Gap(+/- kV)=8, IEC 61000-4-2 Contact(+/- kV)=8, Mounting Technology="Surface Mount", PackageDescription="3-Flat Lead Plastic Small Outline, 1 x 1 mm (inc leads), 0.35 mm Pitch", PackageReference=DRT0003A, PackageVersion="revD, Jun-2008", PartNumber=TPD2EUSB30ADRTR, Pricing 1="5=0.53, 10=0.4, 100=0.22", Serial ATA / eSATA=TRUE, Stock 1=5225, SubFamily="ESD Solution", Supplier 1=Farnell, USB Full Speed=TRUE, USB High Speed=TRUE, USB Super Speed=TRUE
VREG2: "Fixed Positive LDO Regulator, 3.3V, 1.3V Dropout, BIPolar, PDSO3", Case/Package=SOP, Dropout Voltage1-Max=1.3V, Dropout Voltage1-Nom=1.2V, Input Voltage Absolute-Max=18V, Manufacturer=Diodes, Max Supply Voltage=15V, Operating Temperature, TJ-Max=125°C, Operating Temperature, TJ-Min=-20°C, Output Current1-Max=800mA, Output Voltage1-Max=3.365V, Output Voltage1-Min=3.235V, Output Voltage1-Nom=3.3V, Package Body Material=Plastic, Package Shape=Rectangular, Package Style="SMALL OUTLINEMeter", Supplier Part Number=3483073, Supplier Part Number 1=AZ1117CH-3.3TRG1DICT-ND, Voltage Tolerance-Max=1.97%, Adjustability=FIXED, Category="Voltage Regulators - Linear", Channels=1, ComponentLink1Description=https://datasheet.ciiva.com:443/pdfs/VipMasterIC/IC/DIOD/DIOD-S-A0007713706/DIOD-S-A0007713706-1.pdf?src-supplier=IHS+Markit, ComponentLink1URL=https://datasheet.ciiva.com:443/pdfs/VipMasterIC/IC/DIOD/DIOD-S-A0007713706/DIOD-S-A0007713706-1.pdf?src-supplier=IHS+Markit, ComponentLink2Description=https://datasheet.ciiva.com/29569/az1117c-29569913.pdf?src-supplier=Digikey, ComponentLink2URL=https://datasheet.ciiva.com/29569/az1117c-29569913.pdf?src-supplier=Digikey, ComponentLink3Description=https://datasheet.ciiva.com/29569/az1117c-29569914.pdf?src-supplier=Digikey, ComponentLink3URL=https://datasheet.ciiva.com/29569/az1117c-29569914.pdf?src-supplier=Digikey, ComponentLink4Description=https://datasheet.ciiva.com/29569/az1117c-29569915.pdf?src-supplier=Digikey, ComponentLink4URL=https://datasheet.ciiva.com/29569/az1117c-29569915.pdf?src-supplier=Digikey, Height - Seated (Max)=1.8mm, JESD-30 Code=R-PDSO-G3, JESD-609 Code=e3, Length=6.5mm, Line Regulation-Max=0.01%, Load Regulation-Max=0.015%, Manufacturer Part Number=AZ1117CH-3.3TRG1, Moisture Sensitivity Level=1, Number of Outputs=1, Packaging="Tape and Reel", Pins=3, Pricing="5=0.42, 10=0.25, 100=0.12", Pricing 1="1=0.36, 10=0.27, 25=0.23, 100=0.15", Qualification Status="Not Qualified", Reach SVHC Compliant=Yes, Regulator Type="FIXED POSITIVE SINGLE OUTPUT LDO REGULATOR", RoHS=Yes, RoHS Compliant=Yes, Stock=8830, Supplier=Farnell, Supplier 1=Digikey, Surface Mount=Yes, Technology=BIPOLAR, Terminal Finish=Tin, Terminal Form="Gull Wing", Terminal Pitch=2.3mm, Terminal Position=DUAL, Width=3.5mm
VREG3: "Fixed Positive LDO Regulator", Manufacturer=Diodes, Supplier Part Number=3864505, Supplier Part Number 1=621-AP7370-18FDC-7, Manufacturer Part Number=AP7370-18FDC-7, Pricing="5=0.53, 10=0.42, 100=0.23", Pricing 1="1=0.38, 10=0.271, 100=0.19", RoHS=Yes, Stock=2900, Supplier=Farnell, Supplier 1=Mouser
X1: "Parallel - Fundamental Quartz Crystal", Manufacturer=Multicomp, Supplier Part Number 1=2853878, Manufacturer Part Number=MCSJK-7E-24.00-8-10-60-B-10, Pricing 1="5=0.232, 50=0.188, 250=0.165, 500=0.15, 1500=0.133, 3000=0.129, 15000=0.125, 30000=0.123 (GBP)", RoHS=No, RoHS Compliant=Yes, Stock 1=1530, Supplier 1=Farnell
X2: "CMOS Output Clock Oscillator", Manufacturer=Multicomp, Supplier Part Number 1=2854277, Manufacturer Part Number=MCSJK-3N-12.288-3.3-50-C, Pricing 1="5=0.644, 50=0.522, 250=0.455, 500=0.442, 1500=0.436, 3000=0.43, 15000=0.421, 30000=0.413 (GBP)", RoHS=No, Stock 1=2585, Supplier 1=Farnell
VREG1: Pricing 1="5=1.49, 50=1.38, 100=1.27", Stock 1=24605, Supplier 1=Farnell, Supplier Part Number 1=TLE4284DV50ATMA1

## Via types
v1: diameter 0.5, hole 0.3, Top Layer to Bottom Layer, 443 vias
v2: diameter 2.5, hole 2.5, Top Layer to Bottom Layer, 10 vias
v3: diameter 0.5, hole 0.2, Top Layer to Bottom Layer, 9 vias
v4: diameter 0.66, hole 0.33, Top Layer to Bottom Layer, tented top, 8 vias
v5: diameter 5.5, hole 3.5, Top Layer to Bottom Layer, 5 vias

## Nets (pads, with @x,y where several pads share a name; then routed paths per layer and width w, separated by ;. In a path a pad name is that pad's centre, name@x,y a point inside that pad or via, vN(x,y) a via of type N, cw(c..) or ccw(c..) an arc to the next point about the centre after c; other vN are vias at no path point)
+1V8: C8.1 C22.1 C23.1 C24.1 R6.2 TP4.1 U3.5 U3.23 U3.32 VREG3.1 | length 8.5
  Top Layer w0.254: R6.2@36.7,55.025 v1(36.7,56) ; v1(39.6,53.2) 39.6,53.133 39.837,52.896 39.837,52.533 39.97,52.4 C23.1@39.99,52.4 41.148,52.4 41.173,52.375 U3.5@41.435,52.375 ; C24.1@40.174,56.662 40.362,56.662 C24.1@40.376,56.676 40.4,56.676 41.076,56 v1(41.1,56) 41.14,56 41.854,55.286 42.079,55.286 42.1,55.265 U3.32@42.1,55.04 ; U3.23@46.265,53.875 47.558,53.875 47.633,53.8 v1(47.7,53.8) 47.705,53.805 47.705,54.595 C22.1@47.71,54.6 ; C8.1@104.67,74.17 C8.1@104.7,74.14 C8.1@104.7,74.16
  other v1: 100.9,71.4 102.1,71.4 103.3,71.4 100.9,72.6 102.1,72.6 103.3,72.6 100.9,73.8 102.1,73.8 103.3,73.8